# Altium PCB MU_MP_39_V1.PcbDoc (part 13 of 15) (continued)
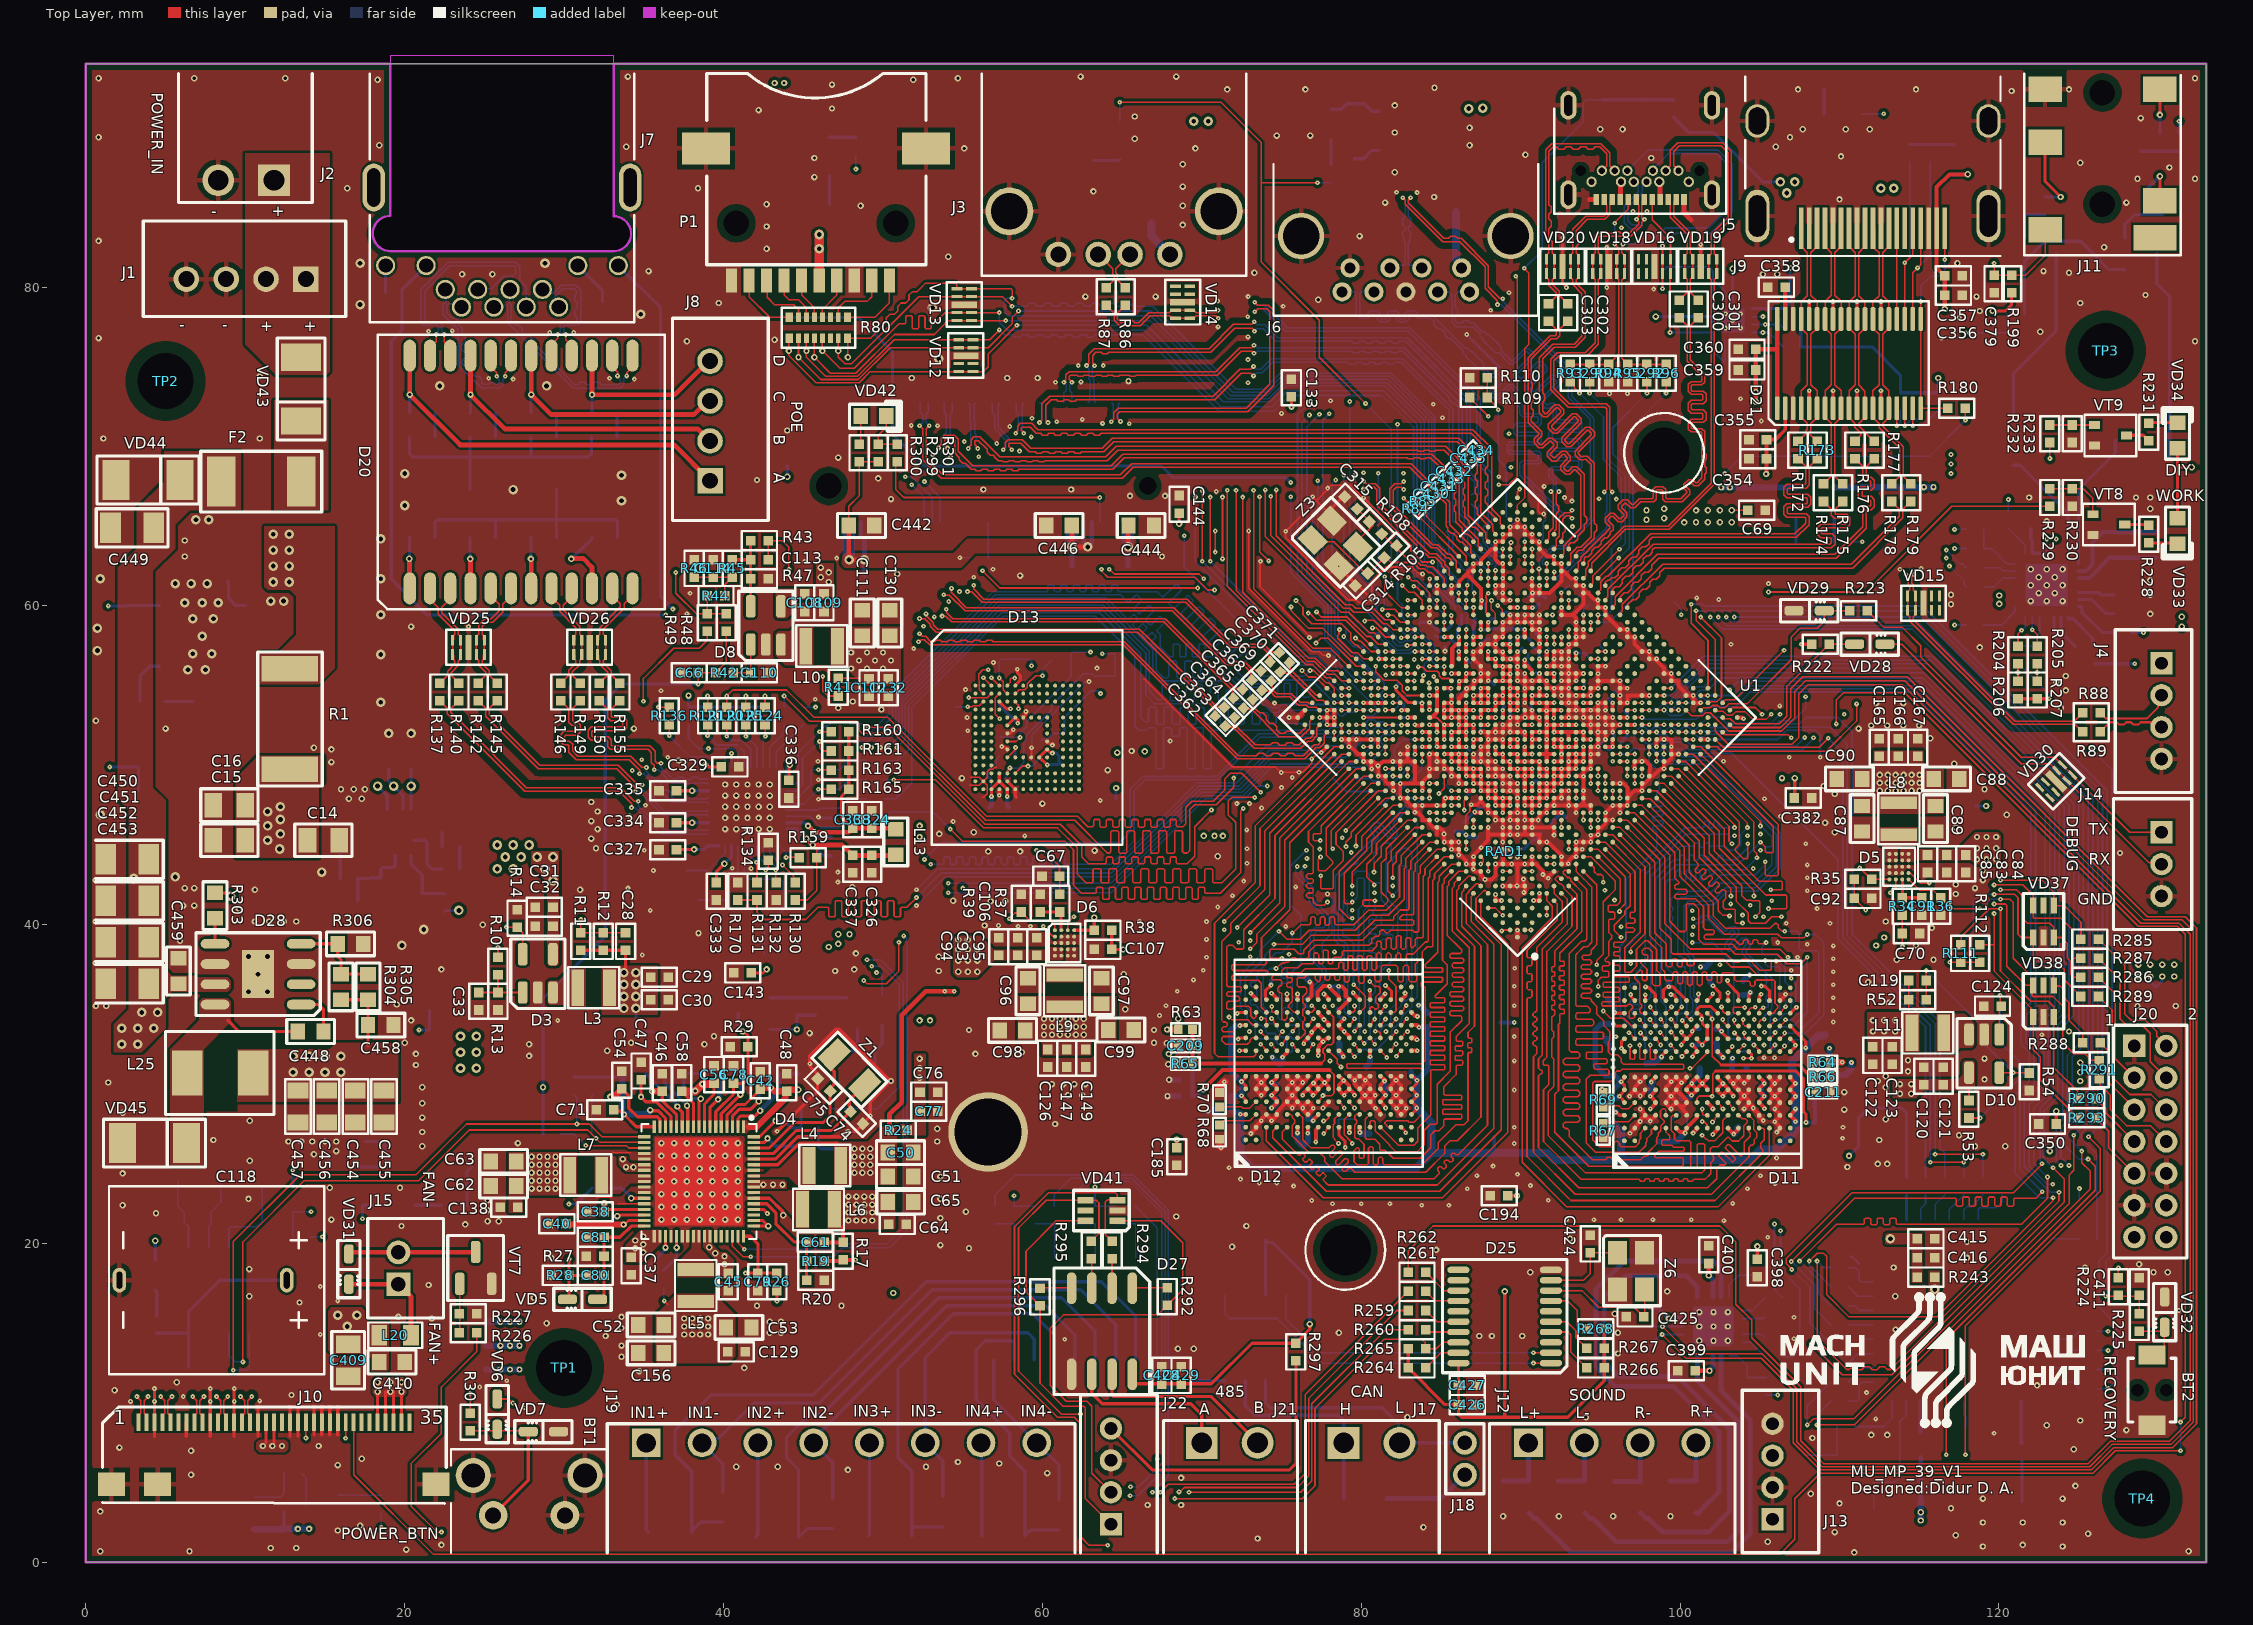
[diagram p0: Top Layer view]
## Nets (pads, with @x,y where several pads share a name; then routed paths per layer and width w, separated by ;. In a path a pad name is that pad's centre, name@x,y a point inside that pad or via, vN(x,y) a via of type N, cw(c..) or ccw(c..) an arc to the next point about the centre after c; other vN are vias at no path point) (continued)
  Bottom Layer w0.2: v2(38.569,29.083) 38.552,29.1 38.039,29.1 37.5,29.639 R21.1@37.5,30.675 C73.2@38.7,30.675
VCC_SDIO: C44.1 C266.1 D4.12 R81.1 R81.2 R81.3 R81.4 R81.5 R81.6 R81.7 R81.8 U1.T23 | length 126.5
  Top Layer w0.2: v2@37.107,28.541 37.407,28.241 D4.12@37.407,27.33
  Top Layer w0.254: U1.T23@86.583,56.217 86.583,56.676 v1(86.584,56.678)
  POWER_2 w0.102: 84.415,56.556 84.415,56.81 84.669,57.064 84.822,57.064 84.898,57.064 85.203,56.759 85.451,56.759 85.533,56.678 85.411,56.556 85.076,56.556 84.872,56.353 84.618,56.353 84.415,56.556
  POWER_2 w0.2: v1(75.575,67.75) 76,67.325 76,62
  POWER_2 w0.25: 80.648,59.502 80.656,59.502 81.164,58.994 83.094,58.994 84.822,57.267 84.822,57.064 ; 85.533,56.678 v1(86.584,56.678)
  POWER_2 w0.4: v2(37.107,28.595) 37.107,31.982 40.075,34.95 55.975,34.95 57.875,36.85 60.225,36.85 61.35,37.975 61.35,49.95 73.4,62 76,62 78.15,62 80.648,59.502
  Bottom Layer w0.2: C44.1@35.1,30.675 37.068,28.707 37.068,28.633 v2(37.107,28.595) ; R81.1@44.125,78.1 R81.2@44.7,78.1 R81.3@45.2,78.1 R81.4@45.7,78.1 R81.5@46.2,78.1 R81.6@46.7,78.1 R81.7@47.2,78.1 R81.8@47.775,78.1 48.45,78.1 50.6,75.95 50.6,70.775 52.6,68.775 67.475,68.775 68.2,68.05 75.275,68.05 v1(75.575,67.75) ; v1(86.584,56.678) 86.816,56.446 C266.1@86.862,56.446
VCCA0V9_HDMI: C43.1 C350.1 C351.1 D4.5 U1.AA16 U1.AA17 | length 179.1
  Top Layer w0.2: D4.5@39.857,27.33 39.857,28.145 v2(41.057,29.345) ; C350.1@123.6,27.5 v2(123.6,28.3)
  Top Layer w0.254: U1.AA17@91.638,55.758 v1(92.097,55.758) 92.098,55.757 U1.AA16@92.098,55.298
  Inner_Layer w0.3: v2(41.057,29.345) 42.206,30.494 45.106,30.494 45.7,29.9 45.7,12.9 47.6,11 102.775,11 103.775,12 117.2,12 120.5,15.3 120.5,25.2 v2(123.6,28.3)
  POWER_2 w0.12: v1(92.097,55.758) 92.097,56.195 93.377,57.475 93.625,57.475
  POWER_2 w0.2: 93.625,57.475 95.5,59.35 97.375,59.35 97.825,58.9 115.9,58.9 123.625,51.175 123.625,28.325 v2(123.6,28.3)
  Bottom Layer w0.2: v2(41.057,29.345) 41.057,29.399 41.1,29.443 C43.1@41.1,30.65 ; v1(92.097,55.758) C351.1@92.099,55.76
VCCA1V8_CODEC: C38.1 C381.1 C382.1 C402.1 D4.31 D22.2 D22.3 R206.1 R207.1 R214.2 U1.AA8 U1.Y8 | length 174.4
  Top Layer w0.2: C38.1@32.557,22.145 D4.31@35.022,22.145 ; v2(107.2,49.2) 107.2,48.025 C382.1@107.275,47.95 ; R206.1@121.2,54.175 R207.1@122.4,54.175 v1@123.125,54.175
  Top Layer w0.254: U1.Y8@95.315,51.162 95.317,51.163 v1(95.775,51.163) U1.AA8@95.775,51.621
  Top Layer w0.4: C38.1@32.507,21.995 v2(32.507,22.545)
  POWER_1 w0.1: 120.025,54.2 120.05,54.175 v1(123.15,54.175)
  POWER_1 w0.3: v2(112.3,38.7) 113.2,39.6 113.7,39.6 116.25,42.15 116.25,46.55 120.025,50.325 120.025,54.2 v2(120.025,60.125) v2(120.025,60.65)
  Inner_Layer w0.102: 97.725,51.1 98.126,51.1 98.868,50.358 99.452,50.358
  Inner_Layer w0.12: 97.583,51.313 98.201,51.313 98.362,51.473 98.693,51.473 99.452,50.714 99.452,50.358 ; 97.725,51.171 97.725,51.1 97.725,50.612 98.397,49.941 98.71,49.941 98.906,50.137 99.23,50.137 99.452,50.358 ; 99.452,50.308 99.452,50.358
  Inner_Layer w0.381: v1(95.775,51.163) 96.23,51.618 97.279,51.618 97.583,51.313 97.725,51.171
  Inner_Layer w0.5: 99.452,50.358 100.61,49.2 v2(106.4,49.2) v2(107.2,49.2)
  POWER_2 w0.5: v2(32.507,22.545) 32.782,22.27 34.23,22.27 36.025,20.475 43.925,20.475 46.1,18.3 75.425,18.3 77.475,16.25 81.05,16.25 83.6,18.8 105.8,18.8 111.4,24.4 111.4,31.1 112.7,32.4 114.282,32.4 114.575,32.693 114.575,35.475 112.3,37.75 v2(112.3,38.7) v2(112.8,39.2) 114.1,40.5 114.1,42.3 v2(107.2,49.2) v2(106.4,49.2)
  Bottom Layer w0.1: R214.2@121.2,56.425 123.15,54.475 v1(123.15,54.175)
  Bottom Layer w0.2: C381.1@95.456,51.002 95.614,51.002 v1(95.775,51.163)
VCCA1V8_HDMI: C40.1 C352.1 C353.1 D4.33 U1.AD16 | length 175
  Top Layer w0.2: v2@33.786,21.195 34.036,21.445 D4.33@35.022,21.445
  Top Layer w0.254: U1.AD16@93.477,56.677 v1(93.477,57.045)
  Top Layer w0.4: C40.1@30.1,21.25 30.155,21.195 v2(33.732,21.195)
  Inner_Layer w0.2: v2(33.732,21.195) 33.732,16.368 40.35,9.75 117.1,9.75 121.975,14.625 121.975,24.879 122.894,25.799 123.199,25.799 v2(123.2,25.8)
  POWER_2 w0.2: v1(93.477,57.045) 93.496,57.064 93.739,57.064 95.625,58.95 97.125,58.95 97.6,58.475 115.625,58.475 123.2,50.9 v2(123.2,25.8)
  Bottom Layer w0.2: C353.1@93.365,57.174 93.477,57.062 v1(93.477,57.045) 94.012,57.045 C352.1@94.182,56.874
VCCA3V0_CODEC: C47.1 C403.2 C404.1 D4.14 L18.2 L19.2 R200.2 | length 182.8
  Top Layer w0.2: C47.1@34.825,30.275 v2(34.825,29.2) 34.825,29.192 35.117,28.9 35.777,28.9 36.707,27.97 D4.14@36.707,27.33
  Inner_Layer w0.2: v1(131.3,90.4) 131.3,59.542 131.475,59.367 v2(131.475,59.325)
  Inner_Layer w0.3: v2@34.826,29.2 35.051,28.975 36.15,28.975 39.875,32.7 46.5,32.7 55.9,32.7 59.9,28.7 59.9,19.3 62.7,16.5 93.1,16.5 96.1,19.5 103.7,19.5 105.35,17.85 108.45,17.85 111.8,21.2 111.8,31.3 112.45,31.95 114.25,31.95 121.4,39.1 130.5,39.1 131.475,40.075 v2(131.475,58.7) v2(131.475,59.325)
  Bottom Layer w0.2: R200.2@131.3,89.625 v1(131.3,90.4)
VCCA_0V9: C119.1 C122.1 C123.1 C197.1 C200.1 C259.1 C279.1 C295.1 C296.1 C297.1 C310.1 C311.1 C372.1 C440.1 L11.1 R52.2 U1.H14 U1.H20 U1.L24 U1.R8 U1.R17 U1.T24 U1.V24 U1.W24 U1.Y18 U1.Y19 U1.Y21 U1.Y22 | length 301.7
  Top Layer w0.1: v1(80.91,56.214) 80.91,55.865 81.45,55.325 82.268,55.325 82.575,55.018 82.575,54.675 82.871,54.379 U1.L24@83.825,54.379 ; 114.35,34.45 R52.2@114.35,35.3 C119.1@114.35,36.5
  Top Layer w0.254: v1(83.827,51.163) 83.829,51.162 U1.H20@84.285,51.162 ; U1.T24@86.123,56.677 86.123,57.135 v1(86.125,57.137) ; U1.V24@87.042,57.596 87.042,58.017 87.056,58.03 87.03,58.056 v1(87.033,58.056) U1.W24@87.502,58.056 ; U1.R17@88.881,53 88.881,53.46 v1(88.882,53.461) ; U1.Y22@88.881,57.596 89.339,57.596 v1(89.34,57.595) U1.Y21@89.34,57.137 ; v1(90.26,56.609) U1.Y19@90.26,56.217 90.444,56.217 90.719,55.942 U1.Y18@90.719,55.758 ; U1.R8@93.017,48.863 v1(93.492,48.864)
  Top Layer w0.305: v1(86.584,48.406) 86.586,48.404 U1.H14@87.042,48.404
  Inner_Layer w0.1: 78.06,54.185 78.1,54.225 78.466,54.225 78.666,54.025 78.887,54.025 79.103,54.241 80.284,54.241 81.525,53 82.48,53 82.833,52.646 82.833,52.626 83.827,51.632 v1(83.827,51.163) ; v1(87.033,58.056) 87.494,58.056 87.5,58.05 ; 88.7,55.775 88.876,55.775 89.35,55.3 ; 88.775,54.875 88.811,54.875 88.868,54.818 89.318,54.368 ; v1(88.882,53.461) 88.875,53.468 88.875,53.925 89.318,54.368 ; 91.225,56.2 91.67,55.755 ; 93,56.2 92.7,55.9 92.452,55.9 92.277,56.075 91.99,56.075 91.67,55.755 ; 94,57.125 93.225,56.35 92.864,56.35 92.664,56.55 92.422,56.55 92.222,56.35 91.985,56.35 91.785,56.55 91.512,56.55 91.312,56.35 91.025,56.35 88.975,58.4 88.789,58.4 88.444,58.056 88.45,58.05 87.5,58.05 ; 96.723,58.998 92.2,54.475 92.039,54.475 91.799,54.715 91.657,54.857 91.22,55.295 91.22,55.304 ; 87.5,58.05 89.8,55.75 89.35,55.3 ; 89.318,54.368 89.8,54.85 ; 89.35,55.3 89.763,54.888 89.8,54.85 ; 89.8,54.85 90.725,55.775 91.208,55.292 91.22,55.304 ; 91.22,55.304 91.67,55.755
  Inner_Layer w0.2: v2(66.425,50.875) 70.925,50.875 73.196,53.146 74.528,53.146 75.5,54.118 77.811,54.118 77.879,54.185 78.06,54.185
  Inner_Layer w0.5: v2(52.3,46.2) v2(52.3,45.5) 53.95,43.85 64.7,43.85 66.425,45.575 ; v2(66.425,50.875) 66.425,45.575 ; v2(71.325,45.575) 66.425,45.575
  Inner_Layer w0.508: 96.81,59.401 96.81,59.61 97.9,60.7 v2(97.9,65.4) v2(97.9,66)
  POWER_2 w0.1: v1(93.492,48.864) 93.478,48.85 93.478,48.419 93.807,48.089 94.981,48.089 95.154,48.261 95.46,48.261 95.631,48.091 95.906,48.091 95.915,48.1 95.929,48.1 96.147,48.318 96.718,48.318 ; 96.591,48.534 96.652,48.473 ; 96.607,48.428 96.652,48.473 ; 96.7,48.55 96.126,48.55 95.909,48.767 95.659,48.767 95.446,48.553 95.163,48.553 94.993,48.724 94.711,48.724 94.541,48.553 94.234,48.553 93.922,48.866 93.478,48.866 93.478,49.311 93.867,49.7 94.036,49.7 94.266,49.47 94.527,49.47 94.758,49.7 95.85,49.7 96.7,48.85 96.7,48.521 96.652,48.473
  POWER_2 w0.2: v2(66.425,50.875) 66.425,51.24 73.773,58.588 77.811,58.588 79.335,57.064 80.086,57.064 80.91,56.24 v1(80.91,56.214) ; 82.533,43.808 82.558,43.808 86.584,47.834 v1(86.584,48.406)
  POWER_2 w0.3: 96.607,48.428 96.718,48.318 97.826,47.209 97.826,46.051
  POWER_2 w0.5: v2(52.3,45.5) v2(52.3,46.2) 52.3,54.507 52.007,54.8 46,54.8 42.5,58.3 42.5,66.6 v2(44,68.1) 56,80.1 75,80.1 79.325,75.775 88.625,75.775 97.9,66.5 v2(97.9,66) v2(97.9,65.4) ; v2(70.125,45.575) v2(71.325,45.575) ; v2@71.325,45.6 72.324,46.599 79.742,46.599 82.533,43.808 88.366,37.975 90.975,37.975 92.825,39.825 92.825,41.575 97.301,46.051 97.826,46.051 98.851,46.051 101.5,48.7 105.8,48.7 110.5,44 110.5,35.7 112.3,33.9
  GND_2 w0.15: v1(86.125,57.137) 86.125,57.591 86.59,58.056 v1(87.033,58.056)
  Bottom Layer w0.1: v1(93.492,48.864) 93.508,48.864 93.641,48.732 C200.1@93.641,48.691
  Bottom Layer w0.2: v2(44,68.1) C279.1@44,68.8 ; C372.1@83.45,51.146 83.81,51.146 v1(83.827,51.163) ; C311.1@85.625,57.875 85.65,57.875 86.125,57.4 v1(86.125,57.137) ; v1(86.584,48.406) 86.769,48.222 C197.1@86.769,48.165 ; v1(87.033,58.056) 87.033,58.083 87.057,58.107 87.057,58.823 87.171,58.937 87.171,58.957 87.057,59.071 C440.1@87.17,59.184 ; v1(88.882,53.461) 88.945,53.524 C310.1@88.945,53.703 ; v1@89.35,57.605 C296.1@89.35,58.175 ; C297.1@90.503,56.971 90.503,56.852 v1(90.26,56.609) 90.26,56.607 90.425,56.442 90.425,56.396 90.573,56.247 90.573,56.212 C295.1@90.556,56.194
  other v2: 112.1,33.3 112.8,33.3 113.5,33.3 112.1,34 112.8,34 113.5,34 70.8,45.575
VCCA_1V8: C41.1 C278.1 C294.1 C298.1 C312.1 C313.1 C316.1 C441.1 D4.3 R51.2 R106.1 R109.2 R224.2 U1.AA18 U1.AA21 U1.AC24 U1.P18 U1.R24 U1.U24 U1.U25 U1.Y24 | length 284.5
  Top Layer w0.1: R109.2@86.8,73.075 v1(87.975,71.9) ; R224.2@127.5,17.85 v1(127.5,18.475)
  Top Layer w0.2: D4.3@40.557,27.33 40.557,27.981 40.996,28.42 41.701,28.42 v2(42.204,28.923)
  Top Layer w0.254: U1.R24@85.664,56.217 85.711,56.264 85.711,57.317 85.99,57.596 U1.U25@86.123,57.596 86.123,58.054 v1(86.125,58.056) ; U1.U24@86.583,57.137 v1(86.583,57.589) ; U1.Y24@87.962,58.515 87.962,58.974 v1(87.963,58.975) ; U1.P18@87.962,53 87.963,53.001 v1(88.423,53.001) ; U1.AC24@89.34,59.894 v1@89.801,59.894 ; U1.AA21@89.8,57.596 89.8,58.055 v1(89.801,58.056) ; U1.AA18@91.179,56.217 v1(91.179,56.676)
  Inner_Layer w0.1: v1(14.825,20.425) 15,20.6 29.125,20.6 32.525,24 32.525,25.525 34.225,27.225 40.506,27.225 v2(42.204,28.923) ; v1(86.583,57.589) 86.426,57.432 86.426,56.966 86.275,56.816 86.275,55.611 86.473,55.413 86.473,55.134 86.3,54.961 86.3,54.671 87.97,53.001 v1(88.423,53.001) ; 88.505,65.116 88.505,65.045 ; 89.112,65.652 89.8,64.963 89.8,63.363 89.546,63.363 88.505,64.405 88.505,65.045 ; 89.698,62.754 89.241,62.754 88.098,63.897 88.098,64.461 88.098,64.638 88.505,65.045 ; v1(89.801,58.056) 89.5,58.357 89.5,59.126 89.8,59.426 90.13,59.096 90.13,58.842 89.902,58.613 v1@89.902,58.157
  Inner_Layer w0.102: 89.063,65.7 89.076,65.687 ; 89.698,62.754 89.8,62.652 ; v1@89.8,59.893 v1(89.801,59.894) ; v1(89.801,58.056) v1@89.902,58.157
  Inner_Layer w0.2: v1(86.125,58.056) 86.125,58.625 86.494,58.994 v1@87.963,58.994 ; v1@86.142,58.039 v1@86.583,57.598 ; 89.8,59.426 89.801,59.427 v1(89.801,59.894) ; v1(89.801,58.056) v1@91.18,56.678
  Inner_Layer w0.3: v1(86.125,58.056) v1@86.142,58.039 ; v1(86.583,57.589) v1@86.583,57.598 ; v1(87.963,58.975) 88.25,58.975 89.169,59.894 v1(89.801,59.894) 90.283,60.376 90.283,61.357 89.8,61.839 89.8,62.652 89.8,63.363 ; 88.505,65.045 89.112,65.652 89.4,65.94 v1(89.4,68.7)
  Inner_Layer w0.5: v2(42.204,28.923) 43.377,28.923 44.6,27.7 44.6,12.7 46.925,10.375 103.15,10.375 104.1,11.325 117.6,11.325 121.25,14.975 121.25,25.05 125.1,28.9 v2(125.1,30.2) v2(125.1,30.75) v2(125.1,31.35) ; v1(89.4,68.7) 90.4,69.7 94.7,69.7 97.7,66.7 98.4,66.7 v2(99,66.1) v2(99,65.5)
  POWER_2 w0.1: v1(87.975,71.9) 87.975,70.125 v1(89.4,68.7) ; v2(125.1,30.2) 124.35,29.45 124.35,25.8 125.05,25.1 v1(125.05,23.45) 125.05,20.925 v1(127.5,18.475)
  POWER_2 w0.5: v2(99,66.1) v2(99,65.5) 99,64.8 101.45,62.35 106.65,62.35 107.6,61.4 117.363,61.4 122.1,56.663 124.737,56.663 125.1,56.3 v2(125.1,31.35) v2(125.1,30.75) v2(125.1,30.2)
  Bottom Layer w0.1: R51.2@14.075,20.425 v1(14.825,20.425) ; R106.1@125.05,22.7 v1(125.05,23.45)
  Bottom Layer w0.2: v2(42.204,28.923) 42.204,30.554 C41.1@42.3,30.65 ; v1(86.125,58.056) 86.032,58.149 86.032,58.579 86.286,58.833 C313.1@86.286,59.435 ; v1(87.963,58.975) 88.194,59.206 C441.1@88.386,59.206 ; v1(89.801,58.056) 90.375,58.056 90.596,57.835 90.596,57.8 90.74,57.656 90.74,57.46 91.15,57.05 91.15,56.775 91.16,56.766 91.16,56.695 v1(91.179,56.676)
VCCIO_PHY: C324.1 C325.1 C338.1 D19.28 L13.1 R160.2 R161.2 R163.2 R165.2 | length 15.5
  Top Layer w0.2: R160.2@47.85,52.1 R163.2@47.85,49.7 R165.2@47.85,48.5 47.4,48.05 47.4,46.75 C338.1@48.1,46.05
  Top Layer w0.3: v2(45.3,46.2) v2(45.7,45.8) 47.85,45.8 C338.1@48.1,46.05 C324.1@49.3,46.05 50.75,46.05 L13.1@50.8,46
  Bottom Layer w0.2: D19.28@43.95,46.4 45.1,46.4 v2(45.3,46.2) v2(45.7,45.8) 46,45.5 C325.1@46.75,45.5
VDD10_EPHY: C331.1 C332.1 C333.1 C334.1 C335.1 C336.1 D19.3 D19.8 D19.21 D19.38 L12.1 R119.2 | length 30.4
  Top Layer w0.2: C334.1@37.05,46.4 v2(38.025,46.4) ; C335.1@37.05,48.4 v2(38.025,48.4) ; C333.1@39.55,42.65 39.55,43.325 v2(40.05,43.825) ; C336.1@44.1,49.05 44.1,49.921 44.15,49.971 v2(44.15,50.025)
  POWER_2 w0.2: v2(38.025,48.4) 39.125,49.5 41.15,49.5 41.675,50.025 v2(44.15,50.025)
  POWER_2 w0.3: v2(38.025,48.4) v2(38.025,46.4) 38.025,45.85 v2(40.05,43.825) 40.05,42.25 43.7,38.6 v2@46.573,38.6
  Bottom Layer w0.2: v2(38.025,46.4) D19.3@39.05,46.4 ; v2(38.025,48.4) D19.8@39.05,48.4 ; v2(40.05,43.825) 40.5,44.275 D19.38@40.5,44.95 ; D19.21@43.95,49.2 43.95,49.825 v2@44.125,50
  other v2: 46.6,38.6 47.2,38.8 47.2,39.4 47.9,39.4
VDD_CENTER: C52.2 C53.2 C129.1 C156.2 C157.1 C158.1 C159.1 C160.1 C161.1 C162.1 C163.1 L5.2 R15.1 U1.M11 U1.M12 U1.M13 U1.M14 U1.M15 U1.N11 U1.N12 U1.P13 U1.P14 U1.P15 | length 229.9
  Top Layer w0.1: v1(36.275,16.4) 36.505,16.17
  Top Layer w0.254: v1(88.428,51.146) 88.421,51.139 U1.M15@88.421,50.702 v1(88.881,50.702) U1.M14@88.881,50.242 v1(89.34,50.242) U1.M13@89.34,49.783 v1@89.799,49.783 ; v1(89.801,51.623) v1@89.8,51.622 ; v1(90.261,49.325) U1.M12@89.8,49.323 89.8,49.783 v1(89.801,49.785) v1(89.801,49.785) U1.N12@90.26,49.783 ; v1(90.261,48.406) v1(90.261,48.406) v1(90.261,49.325) v1(90.261,49.325) ; v1(90.261,51.163) v1(90.261,51.163) U1.P13@90.26,50.702 v1(90.72,50.704) v1(90.72,50.704) ; v1(90.72,49.785) U1.N12@90.26,49.783 ; v1(90.72,49.785) v1(90.72,49.785) U1.N11@90.719,49.323 90.263,49.323 v1(90.261,49.325) ; v1@89.8,51.621 U1.P15@89.34,51.621 89.342,51.62 v1(89.342,51.163) 89.343,51.162 U1.P14@89.8,51.162 v1@89.8,51.622 ; U1.N12@90.26,49.783 90.26,49.326 v1(90.261,49.325)
  POWER_2 w0.1: v1(36.275,16.4) 40.25,16.4 45.05,11.6 112.5,11.6 116.6,15.7 116.6,48.5 114,51.1 99.85,51.1 99.6,50.85 99.325,50.85 99.15,51.025 98.825,51.025 98.625,50.825 98.376,50.825 98.176,51.025 97.051,51.025 96.823,50.797 96.603,50.797 96.396,51.004 96.123,51.004 96.12,51 96.112,51 95.909,50.797 94.753,50.797 94.55,51 94.2,51 93.997,50.797 93.853,50.797 93.624,51.026 93.369,51.026 91.256,48.913 91.162,48.913 90.647,49.428 ; 88.82,51.07 89.784,52.034 89.866,52.034 90.275,51.625 90.713,51.187 91.188,50.712 ; 89.325,50.825 90.025,51.525 90.175,51.525 90.288,51.637 ; 89.8,50.275 90.722,51.197 ; 90.325,49.85 91.2,50.725 ; 90.725,51.2 91.15,51.625 91.625,51.15 ; 91.15,49.8 91.294,49.944 91.319,49.944 91.638,50.262 91.638,50.287 91.2,50.725 ; 93.9,52.6 93.488,53.012 ; 96.675,57.025 95.05,55.4 94.925,55.4 94.388,54.862 ; 97.075,57.3 96.822,57.3 96.819,57.297 96.523,57.297 96.383,57.437 96.087,57.437 93.95,55.3 ; 98.425,57.45 97.925,57.45 94.873,54.398 94.413,53.937 93.95,53.475 93.488,53.012 ; 98.875,57.1 98.475,57.1 95.313,53.937 ; 98.925,58.075 97.65,58.075 97.3,57.725 97.004,57.725 96.833,57.897 96.527,57.897 96.387,57.756 96.096,57.756 95.955,57.897 95.622,57.897 93.529,55.804 93.529,55.721 93.95,55.3 ; 102.071,52.2 101.596,52.2 101.371,52.425 101.179,52.425 100.979,52.225 100.709,52.225 100.534,52.4 100.222,52.4 100.022,52.2 99.808,52.2 99.608,52.4 99.335,52.4 99.135,52.2 98.904,52.2 98.704,52.4 98.388,52.4 98.213,52.225 97.946,52.225 97.771,52.4 97.462,52.4 97.287,52.225 97.024,52.225 96.849,52.4 96.577,52.4 96.402,52.225 96.122,52.225 95.947,52.4 95.666,52.4 95.466,52.2 95.233,52.2 95.008,52.425 94.77,52.425 94.57,52.225 94.287,52.225 94.087,52.425 93.8,52.425 93.463,52.087 ; 102.45,53.7 101.934,53.7 101.874,53.761 101.59,53.761 101.429,53.6 101.149,53.6 100.98,53.769 100.659,53.769 100.49,53.6 100.235,53.6 100.035,53.8 99.756,53.8 99.531,53.575 99.31,53.575 99.085,53.8 97.988,53.8 97.788,53.6 97.509,53.6 97.309,53.8 96.998,53.8 96.798,53.6 95.65,53.6 95.313,53.937 ; 102.875,51.425 102.025,51.425 101.923,51.323 100.671,51.323 100.518,51.475 99.339,51.475 99.187,51.323 98.797,51.323 98.62,51.5 98.372,51.5 98.197,51.325 96.993,51.325 96.818,51.5 95.688,51.5 95.511,51.323 95.169,51.323 95.017,51.475 94.7,51.475 94.547,51.323 94.255,51.323 94.102,51.475 93.789,51.475 93.637,51.323 93.353,51.323 93.025,51.65 93.463,52.087 ; 91.2,50.725 91.625,51.15 ; 91.625,51.15 92.113,51.637 92.575,52.1 93.013,52.537 ; 93.013,52.537 93.488,53.012 ; 93.013,52.537 93.463,52.088 ; 93.95,55.3 94.387,54.862 ; 94.388,54.862 94.863,54.388 95.313,53.937
  Bottom Layer w0.1: R15.1@36.25,17.225 36.25,16.425 v1(36.275,16.4)
  Bottom Layer w0.2: C159.1@118.525,47.45 v2(119.2,47.45)
  Bottom Layer w0.254: v1(90.261,48.406) 90.261,49.244 v1@90.271,49.254
  other v2: 37.532,14.295 38.032,14.295 38.532,14.295 39.032,14.295 37.532,14.795 38.032,14.795 38.532,14.795 39.032,14.795 37.532,15.295 38.032,15.295 38.532,15.295 39.032,15.295
VDD_CPU_B: C96.2 C97.2 C98.2 C99.2 C107.1 C126.1 C146.2 C147.1 C148.1 C149.1 C150.1 C151.1 C152.1 C153.1 C154.1 C155.1 L9.1 R38.2 U1.K19 U1.K21 U1.L18 U1.L19 U1.L21 U1.L23 U1.M18 U1.M19 U1.M20 U1.M21 U1.M22 U1.N20 U1.N22 | length 93.5
  Top Layer w0.2: R38.2@64.35,39.65 C107.1@64.35,38.45 v2(65.075,38.45)
  Top Layer w0.254: v1(84.285,53.479) U1.L23@84.285,53.919 ; v1(84.287,52.542) 84.288,52.54 U1.K21@84.744,52.54 84.744,52.084 v1(84.746,52.082) ; U1.K19@85.664,51.621 85.664,52.08 v1(85.665,52.082) 85.667,52.081 U1.L19@86.123,52.081 ; v1@85.664,53.918 U1.M21@85.664,53.46 ; U1.N22@85.664,54.379 v1(85.665,53.92) v1(85.665,53.92) 85.664,53.919 U1.M22@85.204,53.919 v1(85.206,53.461) v1(85.206,53.461) ; U1.L18@86.583,51.621 v1@86.583,52.081 ; v1(86.584,53.92) 86.583,53.919 U1.N20@86.583,53.46 ; U1.M18@87.042,52.081 v1@87.042,52.54 ; v1(87.044,52.542) 87.043,52.54 U1.M19@86.583,52.54 ; v1(87.044,53.461) 87.043,53.46 U1.N20@86.583,53.46 ; v1(85.206,53.461) 85.207,53.46 U1.M21@85.664,53.46 ; v1(85.206,53.461) 85.204,53.459 U1.L21@85.204,53 85.664,53 v1(85.665,53.001) ; U1.M21@85.664,53.46 85.665,53.461 v1(86.125,53.461) ; U1.M21@85.664,53.46 v1(85.665,53.001) v1(85.665,53.001) ; v1(85.665,53.001) 85.667,53 U1.M20@86.123,53 ; U1.L19@86.123,52.081 v1@86.583,52.081 ; U1.L19@86.123,52.081 86.123,52.54 v1(86.125,52.542) ; U1.M20@86.123,53 86.123,53.459 v1(86.125,53.461) ; U1.M20@86.123,53 86.123,52.543 v1(86.125,52.542) ; U1.M20@86.123,53 86.124,53.001 v1(86.584,53.001) ; v1(86.125,52.542) 86.126,52.54 U1.M19@86.583,52.54 ; v1(86.125,53.461) 86.126,53.46 U1.N20@86.583,53.46 ; v1@86.583,52.081 v1(86.584,52.082) 86.583,52.084 U1.M19@86.583,52.54 ; U1.M19@86.583,52.54 86.583,53 v1(86.584,53.001) ; U1.N20@86.583,53.46 86.583,53.003 v1(86.584,53.001)
  POWER_1 w0.1: 76.7,53.7 77.668,53.7 77.743,53.775 78.015,53.775 78.19,53.6 78.45,53.6 78.625,53.775 78.949,53.775 79.124,53.6 79.398,53.6 79.598,53.8 79.831,53.8 80.031,53.6 80.291,53.6 80.491,53.8 80.766,53.8 80.966,53.6 81.224,53.6 81.393,53.769 81.414,53.769 81.548,53.904 ; 76.725,53.25 77.218,53.25 77.293,53.325 77.547,53.325 77.747,53.125 77.977,53.125 78.177,53.325 78.484,53.325 78.659,53.15 79.807,53.15 79.982,53.325 80.322,53.325 80.497,53.15 81.649,53.15 ; 76.875,52.85 77.075,52.85 77.25,52.675 77.545,52.675 77.72,52.85 78.005,52.85 78.18,52.675 78.481,52.675 78.681,52.875 79.782,52.875 79.982,52.675 80.32,52.675 80.52,52.875 82.605,52.875 82.805,52.675 83.077,52.675 83.277,52.875 85.297,52.875 85.397,52.775 85.85,52.775 ; 76.9,54.15 78.118,54.15 78.218,54.25 78.478,54.25 78.678,54.05 78.937,54.05 79.137,54.25 80.246,54.25 80.446,54.05 80.733,54.05 81.068,54.384 ; 77.025,52.325 77.6,52.325 77.725,52.2 77.984,52.2 78.184,52.4 78.446,52.4 78.646,52.2 78.908,52.2 79.133,52.425 79.349,52.425 79.549,52.225 79.868,52.225 80.043,52.4 80.328,52.4 80.503,52.225 80.789,52.225 80.964,52.4 81.247,52.4 81.422,52.225 81.708,52.225 81.883,52.4 82.15,52.4 82.825,51.725 83.046,51.725 83.721,52.4 84.429,52.4 84.587,52.242 84.975,52.242 ; 77.325,51.75 78.405,51.75 78.605,51.95 78.928,51.95 79.128,51.75 79.37,51.75 79.57,51.95 79.81,51.95 80.01,51.75 80.287,51.75 80.487,51.95 80.725,51.95 80.925,51.75 81.197,51.75 81.397,51.95 81.627,51.95 82.052,51.525 82.971,51.525 83.196,51.3 83.54,51.3 84.19,51.95 85.303,51.95 85.353,51.9 85.525,51.9 ; 77.898,54.75 78.897,54.75 79.147,54.5 80.244,54.5 80.444,54.7 80.787,54.7 81.068,54.419 81.068,54.384 ; 78.45,55.15 79.346,55.15 79.521,54.975 79.796,54.975 79.996,55.175 80.246,55.175 80.471,54.95 80.759,54.95 81.084,55.275 82.3,55.275 82.575,55 82.575,54.271 ; 78.782,55.625 79.825,55.625 79.991,55.458 80.346,55.458 80.625,55.738 81.038,55.738 81.05,55.725 ; 81,57.25 81,57.2 82.5,55.7 82.5,55.45 ; 82.2,54.475 81.978,54.697 81.38,54.697 81.068,54.384 ; 82.65,56.55 83.6,55.6 83.6,55.446 83.65,55.396 83.65,55.091 83.521,54.963 83.521,54.271 ; 83.363,53.637 83.658,53.637 83.719,53.575 83.95,53.575 84.125,53.75 84.65,53.75 ; 83.475,53.175 83.3,53.175 ; 84.45,53.875 84.35,53.875 83.954,54.271 83.521,54.271 ; 84.7,53.175 83.3,53.175 ; 85.625,52.375 85.575,52.375 ; 81.068,54.384 81.548,53.904 ; 81.548,53.904 81.916,54.271 82.575,54.271 ; 81.548,53.904 81.972,53.48 81.972,53.478 ; 81.649,53.15 81.75,53.15 82.357,53.757 ; 81.649,53.15 81.825,53.326 81.825,53.332 81.972,53.478 ; 81.972,53.478 82.25,53.757 82.357,53.757 ; 82.357,53.757 82.66,53.757 83.242,53.175 83.3,53.175 ; 82.357,53.757 82.425,53.825 82.65,53.825 83.3,53.175 ; 82.575,54.271 83.521,54.271 ; 84.975,52.242 85.042,52.175 85.375,52.175 85.575,52.375 ; 84.975,52.242 85.33,52.242 85.463,52.375 85.575,52.375
  POWER_1 w0.2: 62.825,38.45 v2(65.075,38.45)
  Bottom Layer w0.2: C150.1@64.625,47.9 v2(64.625,48.575)
  other v2: 60.1,33.1 60.6,33.1 61.1,33.1 61.6,33.1 62.1,33.1 62.6,33.1 60.1,33.6 60.6,33.6 61.1,33.6 61.6,33.6 62.1,33.6 62.6,33.6 60.1,34.1 60.6,34.1 61.1,34.1 61.6,34.1 62.1,34.1 62.6,34.1
VDD_CPU_B_FB: D6.A4 R38.1 U1.N18 | length 34.9
  Top Layer w0.2: D6.A4@61.986,39.659 D6.A4@61.991,39.654 R38.1@63.25,39.654 ; R38.1@63.25,39.65 R38.1@63.25,39.654 ; v2(63.25,40.45) R38.1@63.25,39.654 ; R38.1@63.35,39.65 63.346,39.654 R38.1@63.25,39.654
  Top Layer w0.254: U1.N18@87.502,52.54 v1(87.948,52.54)
  POWER_1 w0.1: v2(63.25,40.45) 63.25,42.65 71.5,50.9 73.6,50.9 74.2,51.5 78.471,51.5 78.648,51.323 78.967,51.323 79.108,51.463 79.391,51.463 79.532,51.323 79.869,51.323 80.009,51.463 80.302,51.463 80.442,51.323 80.735,51.323 80.913,51.501 81.189,51.501 81.672,51.019 82.586,51.019 82.764,50.841 83.044,50.841 83.221,51.019 83.526,51.019 83.704,50.841 83.958,50.841 84.58,51.463 84.941,51.463 85.082,51.323 85.33,51.323 85.471,51.463 85.79,51.463 85.93,51.323 86.294,51.323 87.512,52.54 v1(87.948,52.54)
VDD_CPU_L: C62.2 C63.2 C125.1 C138.1 C139.1 C140.1 C141.1 C142.1 C143.1 C144.1 C145.1 L7.2 R18.1 U1.P20 U1.P22 U1.R19 U1.R20 U1.R22 U1.T20 U1.T22 | length 160.9
  Top Layer w0.2: C143.1@41.75,36.975 42.475,36.975 v2(42.7,37.2) ; v2(68.575,65.15) C144.1@68.575,65.825
  Top Layer w0.254: U1.P22@86.123,54.838 86.123,55.246 v1(86.15,55.274) 86.175,55.298 U1.R22@86.583,55.298 86.583,55.757 v1(86.584,55.759) 86.586,55.758 U1.T22@87.042,55.758 ; U1.R20@87.502,54.379 v1@87.962,54.379 ; U1.R20@87.502,54.379 87.504,54.377 v1(87.504,53.92) ; U1.R20@87.502,54.379 87.502,54.838 v1(87.504,54.84) 87.505,54.838 U1.T20@87.962,54.838 87.963,54.837 v1(87.963,54.38) v1@87.962,54.379 ; U1.R20@87.502,54.379 87.045,54.379 v1(87.044,54.38) 87.042,54.378 U1.P20@87.042,53.919 87.043,53.92 v1(87.504,53.92) ; v1(87.504,53.92) 87.505,53.919 U1.R19@87.962,53.919 v1@87.962,54.379
  POWER_1 w0.1: v1(30.3,22.475) 27.4,22.475 26.4,23.475 26.4,29.575 30.925,34.1 35.5,34.1 46.6,45.2 46.6,51.3 61.7,66.4 83.775,66.4 87.85,62.325 87.85,62.075 87.641,61.866 87.641,60.682 87.857,60.466 87.857,59.74 87.663,59.546 87.663,58.787 87.8,58.65 87.8,57.426 87.641,57.267 87.641,56.886 88.555,55.972 88.555,54.6 88.276,54.321 88.276,55.471 86.929,56.818 86.908,56.818 86.617,57.109 86.534,57.109 86.131,56.706 ; 80.475,60.8 80.875,60.8 82.675,59 82.95,59 87.175,54.775 ; 80.75,62.175 80.75,62.032 82.929,59.854 ; 82.275,62.042 82.275,61.8 82.45,61.625 82.675,61.625 82.925,61.375 82.925,60.822 83.836,59.911 ; 82.8,62.425 82.8,62.4 83.75,61.45 83.75,60.912 84.756,59.906 ; 83.475,63.025 83.575,63.025 85.1,61.5 85.1,60.5 85.225,60.375 84.756,59.906 ; 85.264,62.211 87.425,60.05 87.425,58.95 87.038,58.563 87.038,58.538 86.124,57.624 ; 87.875,54.875 87.875,54.882 87.556,55.201 87.556,55.281 ; 88,54.85 87.988,54.85 87.556,55.281 ; 82.929,59.854 83.047,59.735 83.366,59.416 ; 82.929,59.854 83.021,59.854 83.366,59.509 83.366,59.416 ; 83.366,59.416 85.026,57.756 85.087,57.756 85.247,57.597 ; 83.836,59.911 84.299,59.449 ; 83.836,59.911 83.836,59.839 84.226,59.449 84.299,59.449 ; 84.299,59.449 84.874,58.874 ; 84.299,59.449 84.756,59.906 ; 84.874,58.874 85.236,58.511 ; 84.874,58.874 84.874,58.776 85.139,58.511 85.236,58.511 ; 85.236,58.511 85.786,57.961 ; 85.247,57.597 85.684,57.159 ; 85.247,57.597 85.353,57.597 85.725,57.225 ; 85.684,57.159 85.734,57.109 ; 85.684,57.159 85.684,57.184 85.725,57.225 ; 85.725,57.225 86.088,57.587 ; 85.734,57.109 85.825,57.018 85.825,57.013 86.131,56.706 ; 85.734,57.109 85.734,56.991 86.519,56.206 86.631,56.206 ; 85.786,57.961 86.124,57.624 ; 85.786,57.961 85.786,57.889 86.088,57.587 ; 86.088,57.587 86.124,57.624 ; 86.131,56.706 86.631,56.206 ; 86.631,56.206 87.556,55.281
  Bottom Layer w0.11: v1(87.504,54.84) C140.1@87.548,54.884
  Bottom Layer w0.2: v1(30.3,22.475) 30.75,22.475 R18.1@31.75,23.475
  other v2: 27.957,23.445 28.457,23.445 28.957,23.445 29.457,23.445 27.957,23.945 28.457,23.945 28.957,23.945 29.457,23.945 27.957,24.445 28.457,24.445 28.957,24.445 29.457,24.445 27.957,24.945 28.457,24.945 28.957,24.945 29.457,24.945 27.957,25.445 28.457,25.445 28.957,25.445 29.457,25.445